# KiCad board cpu-blitter-inputs.kicad_pcb (continued)
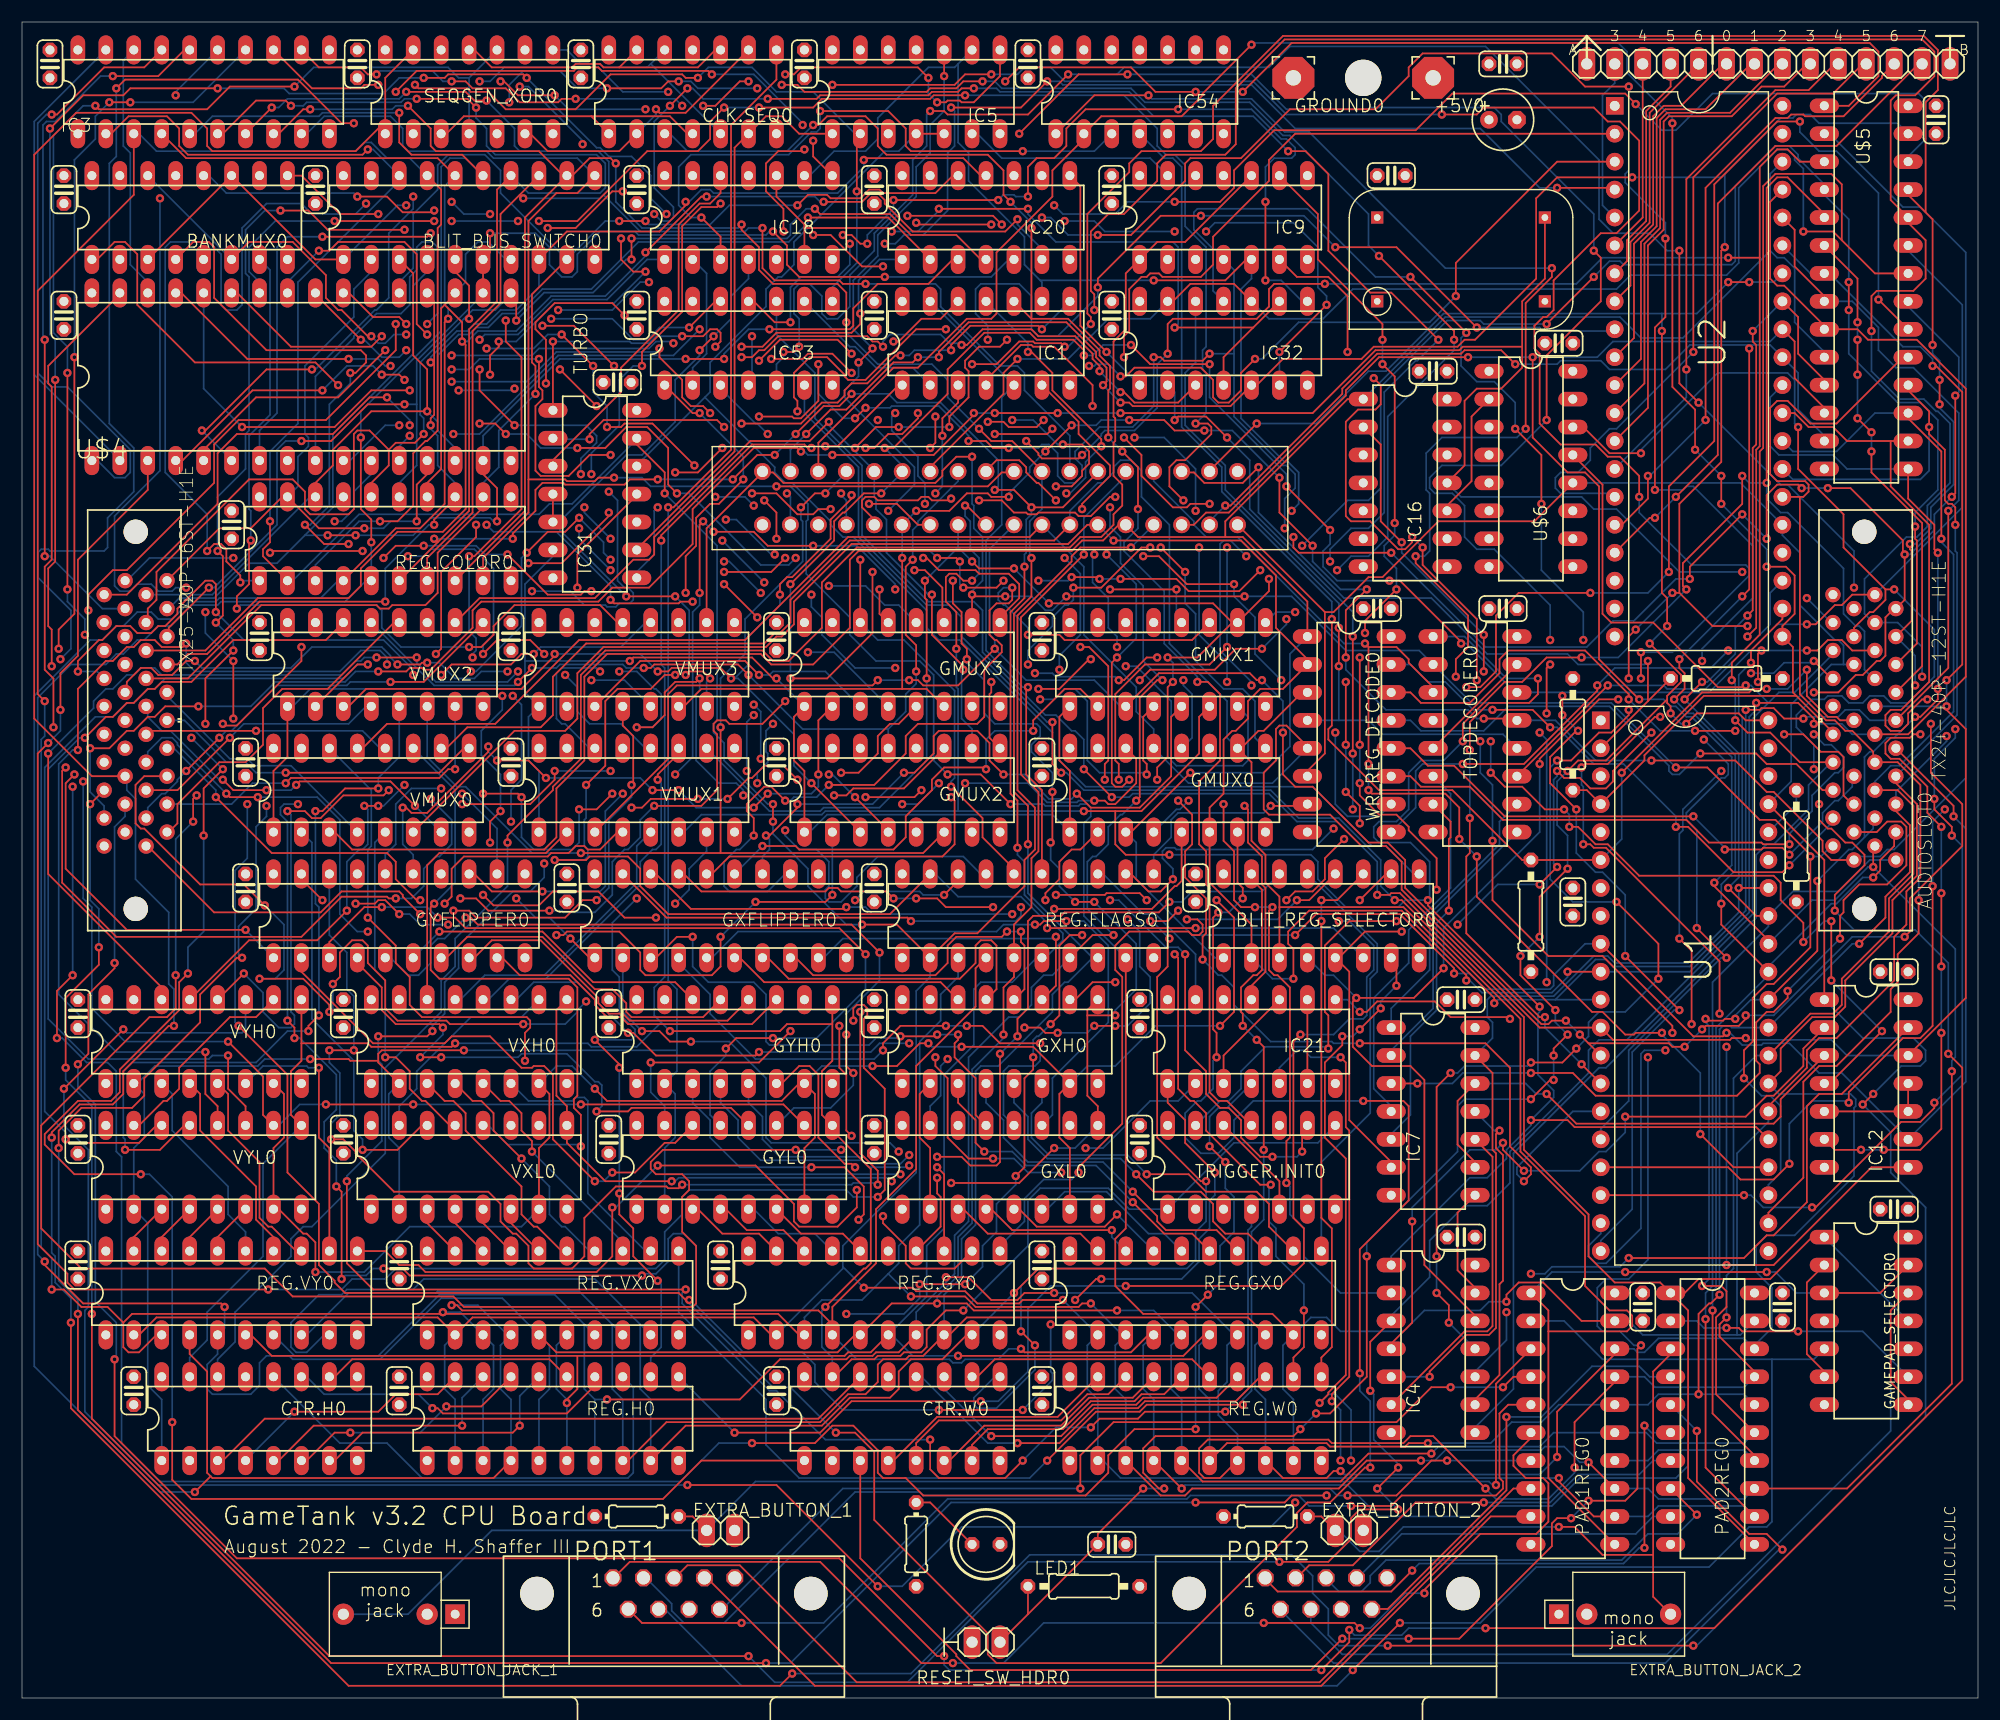
[diagram p0: board, top side]
## Routing (per net, layer and track width the routed paths; a pad name or vN(x,y) marks a point on that pad's centre or on a via; arc(x,y) is an arc through that point) (continued)
  Top w0.152: v1(8.25,147.48) 12.38,147.48 14.76,149.86 IC3.16 ; v1(2.06,103.82) v1(2.06,123.51)
  Bottom w0.152: v1(8.25,147.48) 7.14,147.48 3.02,143.35 2.22,143.35 1.91,143.03 1.91,123.67 v1(2.06,123.51) ; v1(2.06,103.82) 2.54,103.82 7.3,99.06 J2.18
VX-CARRY: length 19.4
  Bottom w0.152: VXL0.15 34.29,53.82 35.88,55.4 35.88,56.99 40.8,61.91 45.4,61.91 VXH0.10
VY-CARRY: length 18.6
  Top w0.152: VYH0.10 21.27,61.91 18.89,61.91 14.29,57.31 14.29,55.4 13.18,54.29 12.86,54.29 10.64,52.07 VYL0.15
W/~{R}: length 29.8
  Top w0.152: IC4.6 131.13,33.34 133.19,33.34 133.67,33.81 133.67,49.21 IC7.10
XDIR: length 127.6
  Top w0.152: v1(113.51,46.67) 112.55,46.67 107.63,51.59 107.63,53.18 106.52,54.29 106.2,54.29 105.09,55.4 105.09,67.31 v1(104.78,67.63) ; REG.W0.12 115.57,30.96 116.52,31.91 v1(116.52,35.24) ; v1(96.2,95.57) 97,95.57 98.74,93.82 98.74,85.25 98.43,84.93 v1(98.43,83.5)
  In2.Cu w0.152: v1(96.2,95.57) 92.23,99.54 89.06,99.54 87,101.6 87,101.92 86.52,102.39 85.25,102.39 83.82,103.82 83.82,103.98 81.12,106.68 81.12,107.16 78.74,109.54 78.74,109.85 78.42,110.17 77.31,110.17 76.04,111.44 76.04,111.92 71.6,116.36 70.17,116.36 66.99,119.54 66.99,120.65 66.04,121.6 66.04,123.19 62.23,127 IC53.13 ; v1(104.78,67.63) 103.19,69.21 103.19,73.34 101.6,74.93 101.6,80.33 v1(98.43,83.5)
  Bottom w0.152: v1(116.52,35.24) 116.52,37.62 113.98,40.16 113.98,42.7 113.35,43.34 113.35,46.51 v1(113.51,46.67)
XODD: length 38
  Top w0.152: v1(30.96,49.85) 34.13,49.85 36.35,52.07 VXL0.14
  Bottom w0.152: VMUX0.2 26.35,77.79 26.35,61.75 30.16,57.94 30.16,51.59 30.96,50.8 v1(30.96,49.85)
YDIR: length 106.6
  Top w0.152: v1(68.58,105.41) 68.58,107.79 v1(67.47,108.9) ; v1(52.07,59.85) 54.29,57.63 v1(54.29,57.31) ; v1(54.29,45.88) 54.29,43.97 55.56,42.7 55.56,40.16 v1(57.78,37.94)
  In1.Cu w0.152: v1(55.88,72.71) 55.88,76.2 60.8,81.12 60.8,87.47 65.41,92.07 65.41,97.16 66.2,97.95 66.2,103.03 v1(68.58,105.41) ; v1(67.47,108.9) 67.47,110.17 68.42,111.12 68.42,112.08 67.79,112.71 v1(67.79,114.93)
  Bottom w0.152: v1(54.29,57.31) v1(54.29,45.88) ; v1(55.88,72.71) 53.66,70.48 53.66,66.2 54.29,65.56 54.29,62.23 55.72,60.8 55.72,60.17 55.4,59.85 v1(52.07,59.85) ; IC53.3 63.5,119.06 66.67,115.89 66.83,115.89 v1(67.79,114.93) ; REG.H0.12 57.15,30.96 58.1,31.91 58.1,37.62 v1(57.78,37.94)
YODD: length 83.7
  Top w0.152: VMUX2.2 30.48,93.98 v1(31.43,93.98) ; VYL0.14 12.22,52.07 10.64,50.48 4.29,50.48 v1(3.97,50.8)
  Bottom w0.152: v1(31.43,93.98) 30.48,93.98 29.21,92.71 13.02,92.71 12.06,91.76 11.43,91.76 10.16,90.49 9.52,90.49 8.25,89.22 6.67,89.22 2.06,84.61 2.06,53.34 3.97,51.44 v1(3.97,50.8)
~{AUD_NMI}: length 53.3
  Top w0.152: AUDIOSLOT0.16 166.37,81.28 165.58,82.07 165.58,85.57 165.1,86.04 163.51,86.04 161.93,87.63 v1(160.18,87.63) ; v1(146.05,90.8) 146.05,91.28 142.08,95.25 135.1,95.25 134.3,94.46 134.3,93.19 131.6,90.49 127.16,90.49 126.21,91.44 WR_REG_DECODE0.14 ; v1(155.73,87.95) v1(152.08,87.95)
  In1.Cu w0.152: v1(160.18,87.63) 159.86,87.95 v1(155.73,87.95)
  Bottom w0.152: v1(146.05,90.8) 148.91,87.95 v1(152.08,87.95)
~{CLK7}: length 62.1
  Top w0.152: v1(145.73,52.86) 156.69,52.86 158.59,54.77 159.23,54.77 161.93,57.47 161.93,59.05 IC12.2 ; v1(126.37,43.34) 126.37,34.13 124.46,32.23 IC4.4 ; v1(136.53,47.94) 134.62,49.85 v1(134.62,50.48)
  Bottom w0.152: v1(126.37,43.34) 126.37,44.61 131.6,49.85 133.98,49.85 v1(134.62,50.48) ; v1(136.53,47.94) 141.6,47.94 143.35,49.69 143.99,49.69 145.73,51.44 v1(145.73,52.86)
~{CLK28}: length 11.7
  Top w0.152: U$6.2 131.76,116.52 131.76,110.65 129.54,108.43 IC16.10
~{COPYDONE}: length 174.5
  Top w0.152: IC9.10 105.73,132.4 103.19,132.4 IC9.1 100.33,129.54 100.33,124.46 99.22,123.35 99.22,116.52 99.38,116.36 99.38,114.3 99.22,114.14 99.22,111.12 100.01,110.33 100.01,108.43 99.22,107.63 99.22,106.68 98.11,105.57 96.2,105.57 95.25,104.62 75.88,104.62 72.71,101.44 72.71,97.31 69.69,94.3 68.26,94.3 67.31,95.25 53.02,95.25 50.8,93.03 50.8,85.41 48.26,82.87 48.26,82.55 44.13,78.42 v1(44.13,77.79)
  Bottom w0.152: CTR.H0.14 17.78,30.8 19.37,32.38 19.37,35.08 24.45,40.16 24.45,41.75 25.56,42.86 26.35,42.86 33.02,49.53 33.02,57.31 38.1,62.39 38.1,65.25 39.37,66.52 39.37,69.06 44.13,73.82 v1(44.13,77.79)
~{DIRECT-SELECT}: length 69.8
  Top w0.152: 71.12,133.67 78.74,133.67 v1(79.06,133.35) ; 71.12,133.67 71.12,133.98 68.58,136.52 IC18.10 ; 71.12,133.67 IC18.6 ; v1(91.44,135.41) v1(83.34,135.41) ; 111.92,124.62 v1(104.78,124.62) ; 111.92,124.62 109.22,121.92 IC32.4 ; 111.92,124.62 IC32.9
  Bottom w0.152: v1(83.34,135.41) 83.34,135.25 81.44,133.35 v1(79.06,133.35) ; v1(91.44,135.41) 91.44,134.94 93.98,132.4 104.62,132.4 105.09,131.92 105.09,124.94 v1(104.78,124.62)
~{DMAMODE}: length 139.5
  Top w0.152: GMUX3.1 70.17,89.22 70.17,85.25 71.12,84.3 GMUX2.1 ; GMUX1.1 94.3,89.22 94.3,85.25 95.25,84.3 GMUX0.1 ; v1(55.25,94.3) 55.56,94.61 66.36,94.61 68.26,92.71 v1(68.58,92.71) ; VMUX0.1 22.86,84.3 24.13,85.57 VMUX2.1
  Bottom w0.152: 45.72,94.3 v1(55.25,94.3) ; 45.72,94.3 45.72,101.28 48.26,103.82 IC31.6 ; 45.72,94.3 45.72,91.76 ; v1(68.58,92.71) GMUX3.1 ; GMUX2.1 71.6,78.74 73.18,80.33 93.66,80.33 GMUX0.1 ; 45.72,91.76 26.19,91.76 24.61,90.17 VMUX2.1 ; 45.72,91.76 45.72,91.44 VMUX3.1 46.04,89.22 46.04,85.25 46.99,84.3 VMUX1.1
~{GAMEPAD1R}: length 202.6
  Top w0.152: 138.75,33.34 138.75,20 PAD1REG0.11 ; 138.75,33.34 138.75,35.24 PAD1REG0.1 ; 138.75,33.34 145.89,33.34 146.37,33.81 146.37,34.77 145.89,35.24 144.3,35.24 142.08,37.47 142.08,43.81 136.21,49.69 136.21,61.75 125.41,72.55 v1(124.78,72.55) ; v1(93.66,88.74) 93.66,84.93 v1(94.46,84.14) ; GAMEPAD_SELECTOR0.3 168.91,36.83 GAMEPAD_SELECTOR0.13 ; v1(145.73,38.73) v1(158.59,38.73)
  Bottom w0.152: GAMEPAD_SELECTOR0.3 161.29,36.83 159.38,38.73 v1(158.59,38.73) ; v1(145.73,38.73) 139.06,38.73 PAD1REG0.1 ; v1(93.66,88.74) 93.19,88.74 85.41,96.52 85.41,98.27 84.3,99.38 82.23,99.38 76.04,105.57 76.04,111.92 71.12,116.84 IC53.6 ; v1(94.46,84.14) 94.93,84.14 96.52,82.55 113.51,82.55 116.05,80.01 119.7,80.01 123.51,76.2 123.51,73.82 v1(124.78,72.55)
~{GAMEPAD2R}: length 194.3
  Top w0.152: PAD2REG0.11 151.45,20 151.45,35.24 150.5,36.19 ; 150.5,36.19 PAD2REG0.1 148.91,37.78 144.78,37.78 142.4,40.16 142.4,43.97 136.53,49.85 136.53,61.91 125.25,73.18 124.46,73.18 124.3,73.02 v1(123.19,73.02) ; 150.5,36.19 152.4,38.1 158.91,38.1 162.72,41.91 GAMEPAD_SELECTOR0.1 ; v1(99.06,81.91) v1(96.52,84.45)
  Bottom w0.152: GAMEPAD_SELECTOR0.11 GAMEPAD_SELECTOR0.1 ; v1(99.06,81.91) 100.65,81.91 100.97,82.23 113.35,82.23 115.89,79.69 119.54,79.69 123.19,76.04 v1(123.19,73.02) ; v1(96.52,84.45) 96.52,87.15 95.73,87.95 95.41,87.95 93.98,89.38 93.03,89.38 87.31,95.09 87.31,98.9 86.52,99.69 82.39,99.69 76.36,105.73 76.36,112.08 72.07,116.36 72.07,120.49 68.58,123.98 IC53.10
~{INIT}: length 261.3
  Top w0.152: v1(71.75,113.66) 71.44,113.66 71.12,113.98 66.36,113.98 58.1,105.73 v1(58.1,105.25) ; v1(73.03,113.82) 74.14,113.82 79.69,119.38 IC1.1 ; 73.66,61.28 GYH0.9 ; 73.66,61.28 69.53,61.28 68.9,60.64 v1(58.9,60.64) ; 73.66,61.28 73.66,57.94 72.71,56.99 72.71,53.02 GYL0.9 73.66,51.59 77.15,48.1 77.15,39.53 76.68,39.05 76.52,39.05 v1(73.03,35.56) ; VYL0.9 24.45,53.02 24.45,56.99 25.4,57.94 25.4,59.53 ; v1(39.37,59.53) 39.05,59.21 31.75,59.21 31.43,59.53 25.4,59.53 ; 25.4,59.53 VYH0.9 ; v1(85.57,35.24) 83.98,35.24 82.23,33.5 82.23,31.91 81.76,31.43 80.17,31.43 79.85,31.11 77.79,31.11 77.47,30.8 75.41,30.8 73.82,29.21 CTR.W0.15
  Bottom w0.152: v1(58.9,60.64) 58.1,61.44 ; 58.1,61.44 57.47,62.07 57.47,64.61 58.42,65.56 58.42,93.66 58.1,93.98 v1(58.1,105.25) ; 58.1,61.44 55.88,59.21 51.75,59.21 51.44,59.53 v1(39.37,59.53) ; CTR.H0.15 15.24,30.96 16.83,32.54 16.83,35.08 21.91,40.16 21.91,48.58 VYL0.9 ; v1(73.03,113.82) 71.91,113.82 v1(71.75,113.66) ; v1(73.03,35.56) 72.71,35.24 72.71,31.91 73.66,30.96 CTR.W0.15 ; v1(85.57,35.24) 91.44,41.12 91.44,45.24 92.55,46.35 98.74,46.35 100.65,44.45 TRIGGER.INIT0.1 110.17,50.48 117.79,50.48 TRIGGER.INIT0.8
~{IRQ-OUT}: length 145.5
  Top w0.152: v1(130.33,92.87) 130.33,94.46 131.44,95.57 131.44,98.42 126.68,103.19 v1(126.68,103.82) ; v1(136.68,115.41) 136.68,126.84 139.06,129.22 v1(139.06,130.02) ; IC54.1 97.47,145.73 v1(102.39,145.73) ; IC21.11 111.76,64.77 113.03,66.04 113.03,73.66 112.71,73.98 112.71,76.52 111.44,77.79 111.44,80.8 v1(111.12,81.12)
  In2.Cu w0.152: v1(111.12,81.12) 112.55,81.12 116.84,85.41 118.11,85.41 122.87,90.17 125.73,90.17 128.43,92.87 v1(130.33,92.87)
  Bottom w0.152: v1(126.68,103.82) 127.48,103.82 127.95,104.3 127.95,109.54 127.63,109.85 127.63,113.19 129.06,114.62 135.89,114.62 v1(136.68,115.41) ; v1(102.39,145.73) 102.71,145.41 111.76,145.41 114.78,142.4 117,142.4 129.38,130.02 v1(139.06,130.02)
~{IRQ}: length 193.6
  Top w0.152: AUDIOSLOT0.11 164.47,87.63 164.47,87.95 161.29,91.12 ; 161.29,91.12 160.97,91.44 160.97,95.57 U2.21 160.02,97.47 161.13,98.58 161.13,102.08 160.34,102.87 v1(158.59,102.87) ; 161.29,91.12 152.88,91.12 147.48,85.72 147.48,85.25 U1.4 142.24,82.55 R4.2 ; v1(154.46,111.12) v1(154.46,108.58) ; U$3.P$21 72.39,114.14 79.22,120.97 81.44,120.97 85.88,125.41 88.11,125.41 88.58,125.89 88.58,131.44 93.66,136.52 93.66,138.91 96.52,141.76 IC54.2 98.11,143.83 105.41,143.83 107.31,145.73 107.31,145.89 v1(111.76,150.34) ; v1(150.02,143.19) 150.02,119.22 152.08,117.16 v1(152.08,113.51)
  Bottom w0.152: v1(152.08,113.51) v1(154.46,111.12) ; v1(158.59,102.87) 158.59,104.46 v1(154.46,108.58) ; v1(111.76,150.34) 111.92,150.5 145.1,150.5 145.89,149.7 145.89,147.8 150.02,143.67 v1(150.02,143.19)
~{NMI}: length 129.2
  Top w0.152: AUDIOSLOT0.10 165.26,88.9 164.94,89.22 164.15,89.22 162.24,91.12 v1(162.24,93.5) ; v1(145.41,84.14) 152.72,91.44 157,91.44 157.32,91.76 v1(158.59,91.76) ; v1(119.06,98.11) 119.06,88.42 118.75,88.11 118.75,87.15 123.35,82.55 130.02,82.55 136.37,76.2 R3.2 U1.6
  Bottom w0.152: v1(119.06,98.11) 119.06,99.69 109.06,109.7 109.06,111.92 105.41,115.57 105.41,139.22 104.62,140.02 103.82,140.02 IC54.4 ; v1(145.41,84.14) 145.41,78.1 U1.6 ; v1(162.24,93.5) 160.5,91.76 v1(158.59,91.76)
~{RAMSEL}: length 101
  Top w0.152: U$5.20 v1(168.75,127.16) ; v1(142.56,100.49) 136.05,100.49 133.98,98.42 133.98,93.34 132.56,91.92 v1(131.29,91.92) ; v1(149.7,102.39) 149.7,110.17 153.83,114.3 153.83,137.64 159.54,143.35 v1(161.61,143.35)
  In1.Cu w0.152: v1(131.29,91.92) TOPDECODER0.4
  Bottom w0.152: v1(142.56,100.49) 147.8,100.49 v1(149.7,102.39) ; v1(168.75,127.16) 168.75,136.84 164.94,140.65 163.35,140.65 161.61,142.4 v1(161.61,143.35)
~{RE2}: length 265.9
  Top w0.152: v1(155.42,92.55) 155.42,94.14 157.96,96.68 157.96,113.35 158.27,113.66 158.27,137.48 159.38,138.59 164.47,138.59 165.42,137.64 165.42,132.56 ; U$3.P$25 82.55,111.92 89.22,118.59 89.22,120.49 v1(90.49,121.76) ; 165.42,132.56 168.43,129.54 U$5.22 ; 165.42,132.56 164.62,133.35 v1(161.93,133.35) ; IC32.13 104.62,127 106.2,128.59 110.17,128.59 IC32.10 ; v1(155.73,88.9) 156.84,87.79 158.91,87.79 161.61,85.09 AUDIOSLOT0.13
  Bottom w0.152: AUDIOSLOT0.13 164.47,85.09 162.4,83.03 162.4,80.8 159.23,77.63 158.59,77.63 157.64,76.68 157.64,70.96 143.99,57.31 143.35,57.31 135.57,49.53 135.57,28.1 132.08,24.61 IC4.8 ; IC32.10 113.35,125.41 118.27,125.41 120.97,128.11 144.94,128.11 146.21,129.38 154.94,129.38 156.05,130.49 156.05,137.32 159.54,140.81 160.5,140.81 161.13,140.18 161.13,139.86 161.93,139.06 v1(161.93,133.35) ; IC32.13 102.55,125.41 98.74,125.41 95.09,121.76 v1(90.49,121.76) ; v1(155.42,92.55) 155.73,92.23 v1(155.73,88.9)
~{REGSSEL}: length 64.4
  Top w0.152: v1(119.7,93.82) v1(119.7,97.31)
  Bottom w0.152: IC32.12 106.68,121.44 105.73,120.49 105.73,115.73 109.38,112.08 109.38,109.85 119.7,99.54 v1(119.7,97.31) ; 119.7,88.9 WR_REG_DECODE0.4 ; 119.7,88.9 122.4,88.9 123.67,87.63 134.62,87.63 TOPDECODER0.12 ; 119.7,88.9 v1(119.7,93.82)
~{RESET}: length 242.6
  Top w0.152: v1(149.07,124.3) 149.07,100.49 149.54,100.01 v1(149.54,97.47) ; v1(136.21,67.47) 136.21,65.72 v1(139.38,62.55) ; 149.54,90.8 149.54,91.12 150.81,92.39 150.81,93.03 v1(147.95,95.88) ; 149.54,90.8 149.54,90.49 149.86,90.17 v1(149.86,89.53) ; 149.54,90.8 143.99,85.25 141.45,85.25 v1(140.49,84.3) ; v1(140.49,75.41) 137.95,72.87 v1(137.95,69.21) ; v1(137.16,54.45) 138.91,56.2 v1(139.22,56.2) ; U$3.P$35 107.95,111.6 v1(112.24,115.89) ; RESET_SW_HDR0.2 91.44,7.62 ; 91.44,7.62 R2.2 ; 91.44,7.62 C47.1 97.79,14.92 v1(101.92,19.05) ; v1(117.63,25.88) 118.9,25.88 122.24,29.21 v1(122.24,40.16) ; v1(151.29,88.58) 152.24,89.53 156.05,89.53 156.69,88.9 U1.40 ; v1(139.22,58.42) 139.22,59.05 v1(140.49,60.32) ; v1(116.2,24.45) 115.57,23.81 103.03,23.81 101.92,22.7 101.92,20.48 103.35,19.05 v1(103.82,19.05) ; v1(157,128.75) v1(155.1,128.75)
  Bottom w0.152: 149.07,125.89 v1(149.07,124.3) ; 149.07,125.89 129.22,125.89 123.98,120.65 122.4,120.65 117.63,115.89 v1(112.24,115.89) ; 149.07,125.89 152.24,125.89 v1(155.1,128.75) ; v1(140.49,84.3) 139.54,83.34 139.54,79.38 140.49,78.42 v1(140.49,75.41) ; v1(137.16,54.45) 131.13,54.45 130.49,53.82 130.49,49.69 122.24,41.43 v1(122.24,40.16) ; v1(139.22,58.42) v1(139.22,56.2) ; v1(149.86,89.53) 150.81,88.58 v1(151.29,88.58) ; v1(103.82,19.05) v1(101.92,19.05) ; v1(139.38,62.55) 139.38,61.44 v1(140.49,60.32) ; v1(137.95,69.21) v1(136.21,67.47) ; U2.34 159.23,128.75 v1(157,128.75) ; v1(149.54,97.47) v1(147.95,95.88) ; v1(117.63,25.88) v1(116.2,24.45)
~{ROWCOMPLETE}: length 190.8
  Top w0.152: CTR.W0.14 72.39,25.4 22.07,25.4 18.26,21.59 CTR.H0.3 ; v1(83.03,116.52) 83.03,114.14 v1(82.55,113.66) ; v1(93.5,61.28) 94.3,62.07 94.3,68.42 95.25,69.37 v1(96.36,69.37) ; v1(91.92,58.26) 91.92,57.15 91.12,56.36 91.12,48.26 v1(90.33,47.47) ; v1(81.6,37.62) v1(85.72,37.62)
  In1.Cu w0.152: v1(96.36,69.37) 96.52,69.53 96.52,75.72 91.28,80.96 91.28,88.27 93.19,90.17 93.19,93.19 90.81,95.57 90.81,101.12 89.06,102.87 89.06,107.79 87.31,109.54 85.57,109.54 83.98,111.12 83.98,112.24 v1(82.55,113.66) ; v1(83.03,116.52) 82.55,117 IC1.2
  In2.Cu w0.152: CTR.W0.14 74.93,30.48 v1(74.93,34.92)
  Bottom w0.152: v1(74.93,34.92) 80.17,34.92 81.6,36.35 v1(81.6,37.62) ; v1(85.72,37.62) 87.31,39.21 87.31,41.12 88.58,42.39 88.58,44.93 90.33,46.67 v1(90.33,47.47) ; v1(93.5,61.28) 92.39,60.17 92.23,60.17 91.92,59.85 v1(91.92,58.26) ; IC1.2 80.96,120.97 77.63,120.97 75.72,122.87 75.25,122.87 IC53.9
~{RUNNING}: length 237.3
  Top w0.152: v1(126.05,5.4) 130.65,5.4 139.06,13.81 139.06,15.88 139.54,16.35 v1(140.81,16.35) ; v1(133.67,77.95) 133.67,72.55 138.75,67.47 143.67,67.47 150.02,61.12 v1(150.02,60.48) ; CTR.W0.3 76.2,12.7 84.93,3.97 84.93,3.81 86.2,2.54 117.16,2.54 v1(120.01,5.4) ; v1(147.16,32.07) 146.84,31.75 146.84,19.05 145.73,17.94 v1(142.4,17.94) ; v1(120.49,122.4) 120.49,127.48 118.75,129.22 115.89,129.22 IC9.6 ; v1(122.87,120.01) 123.51,119.38 123.51,117.63 123.03,117.16 121.44,117.16 120.33,116.05 120.33,107.47 120.81,107 122.56,107 125.09,104.46 125.73,104.46 126.37,105.09 v1(126.37,105.57) ; v1(127.32,104.62) 127.32,103.03 132.24,98.11 v1(132.24,92.55)
  In1.Cu w0.152: v1(150.02,60.48) v1(147.8,58.26) ; v1(120.49,122.4) v1(122.87,120.01) ; v1(132.56,86.99) 132.56,88.42 132.24,88.74 v1(132.24,92.55)
  Bottom w0.152: v1(126.37,105.57) v1(127.32,104.62) ; v1(132.56,86.99) 132.56,84.14 133.67,83.03 v1(133.67,77.95) ; v1(147.16,32.07) 146.53,32.07 145.26,33.34 143.67,33.34 143.19,33.81 143.19,37.31 143.99,38.1 146.05,38.1 147.8,39.85 v1(147.8,58.26) ; v1(126.05,5.4) v1(120.01,5.4) ; v1(142.4,17.94) v1(140.81,16.35)
~{SEQGEN_HIGH}: length 20.5
  Bottom w0.152: 57.15,148.59 CLK.SEQ0.5 ; 57.15,148.59 CLK.SEQ0.12 ; 57.15,148.59 56.83,148.27 52.86,148.27 52.55,148.59 50.8,148.59 49.53,149.86 SEQGEN_XOR0.8
~{SEQGEN_LOW}: length 26.7
  Top w0.152: 54.29,148.27 61.44,148.27 63.02,149.86 CLK.SEQ0.10 ; 54.29,148.27 52.86,148.27 52.55,148.59 50.32,148.59 50.01,148.27 42.7,148.27 41.12,149.86 SEQGEN_XOR0.11 ; 54.29,148.27 CLK.SEQ0.13
~{SPI_CS}: length 112.4
  Top w0.152: U2.4 144.62,137.32 v1(139.54,137.32) ; v1(93.19,147) 90.81,144.62 v1(84.45,144.62)
  In1.Cu w0.152: v1(69.53,109.54) 69.53,110.33 68.74,111.12 68.74,112.39 69.06,112.71 69.06,114.3 68.74,114.62 68.74,118.27 71.75,121.28 71.75,123.82 76.04,128.11 76.04,129.86 v1(78.42,132.24)
  Bottom w0.152: v1(93.19,147) 94.3,147 94.62,146.69 111.76,146.69 115.73,142.72 132.56,142.72 137.95,137.32 v1(139.54,137.32) ; v1(78.42,132.24) 79.38,132.24 80.17,133.03 81.91,133.03 84.14,135.25 84.14,140.49 84.77,141.13 84.77,144.3 v1(84.45,144.62) ; U$3.P$2 69.85,109.22 v1(69.53,109.54)
~{TILEMODE}: length 58.8
  Top w0.152: REG.FLAGS0.15 92.71,82.55 91.28,83.98 91.28,91.76 v1(91.44,91.92)
  Bottom w0.152: IC1.13 IC1.5 89.06,118.27 89.06,106.68 87.63,105.25 87.63,95.25 90.96,91.92 v1(91.44,91.92)
~{TRANSEN}: length 75
  Top w0.152: v1(120.97,96.52) v1(120.97,85.88) ; v1(104.78,116.2) 105.09,116.52 107.63,116.52 v1(109.54,114.62) ; REG.FLAGS0.12 100.81,74.93 102.39,73.34 103.5,73.34 v1(104.62,74.45)
  In2.Cu w0.152: v1(120.97,80.8) v1(119.22,79.06)
  Bottom w0.152: v1(109.54,114.62) 111.6,112.55 111.6,108.11 120.97,98.74 v1(120.97,96.52) ; IC32.2 104.78,118.75 v1(104.78,116.2) ; v1(119.22,79.06) 117.32,77.15 104.93,77.15 104.78,77.31 103.98,77.31 103.66,76.99 103.66,76.36 104.62,75.41 v1(104.62,74.45) ; v1(120.97,85.88) v1(120.97,80.8)
~{TRIGGER}: length 201.7
  Top w0.152: v1(60.33,37.15) 31.91,37.15 29.53,39.53 v1(29.53,46.99) ; v1(37.31,60.64) 36.83,60.17 v1(32.38,60.17) ; v1(90.96,21.59) 89.38,20 83.34,20 82.55,20.8 v1(82.55,23.5) ; v1(97.16,24.61) 97.95,25.4 101.44,25.4 102.08,26.03 v1(109.38,26.03) ; v1(50.48,100.96) 50.48,103.98 55.88,109.38 IC31.11
  In1.Cu w0.152: v1(44.61,91.12) 44.61,91.92 43.5,93.03 43.5,93.66 44.13,94.3 44.77,94.3 50.48,100.01 v1(50.48,100.96)
  In2.Cu w0.152: v1(47.47,75.88) 47.47,76.68 v1(44.45,79.69)
  Bottom w0.152: v1(29.53,46.99) 29.53,47.47 32.7,50.64 32.7,57.63 32.38,57.94 v1(32.38,60.17) ; v1(109.38,26.03) 111.44,28.1 111.44,42.54 111.76,42.86 TRIGGER.INIT0.4 ; v1(44.61,91.12) 45.4,90.33 45.4,83.5 44.45,82.55 v1(44.45,79.69) ; v1(47.47,75.88) 47.47,74.61 46.2,73.34 44.61,73.34 39.69,68.42 39.69,66.36 38.42,65.09 38.42,62.23 37.31,61.12 v1(37.31,60.64) ; v1(60.33,37.15) 60.01,36.83 60.01,35.88 67.94,27.94 68.58,27.94 73.03,23.5 v1(82.55,23.5) ; v1(90.96,21.59) 93.98,24.61 v1(97.16,24.61)
~{VIASEL}: length 33.4
  Top w0.152: v1(144.15,92.07) TOPDECODER0.11
  Bottom w0.152: v1(144.15,92.07) 149.22,92.07 149.54,91.76 153.03,91.76 158.91,97.63 158.91,100.49 U2.23
~{VID_SEL}: length 242.5
  Top w0.152: v1(137.95,73.98) v1(139.54,75.56) ; v1(73.66,146.69) 84.77,146.69 85.72,147.64 v1(88.11,147.64) ; v1(129.06,143.99) 132.24,143.99 132.87,144.62 142.88,144.62 144.15,143.35 145.26,143.35 147,141.6 147,135.25 144.94,133.19 143.51,133.19 139.22,128.91 139.22,126.21 138.59,125.57 138.27,125.57 137.48,124.78 137.48,122.71 137.95,122.24 137.95,115.89 139.86,113.98 143.03,113.98 144.15,112.87 145.26,112.87 147,111.12 v1(147,109.22) ; v1(125.41,69.69) 122.08,69.69 119.54,67.15 ; v1(147.16,92.71) v1(147.16,95.09) ; 119.54,67.15 BLIT_REG_SELECTOR0.5 ; 119.54,67.15 120.65,66.04 120.65,52.55 124.46,48.74 IC7.6 ; v1(71.12,140.81) 70.96,140.65 68.74,140.65 67.63,139.54 67.63,137 69.22,135.41 v1(69.22,133.35) ; v1(139.54,84.3) 140.18,83.66 141.6,83.66 142.56,82.71 143.99,82.71 144.62,83.34 144.62,84.3 v1(148.11,87.79)
  In1.Cu w0.152: v1(148.11,87.79) 148.11,90.65 147.16,91.6 v1(147.16,92.71) ; v1(69.22,133.35) 68.58,132.72 IC18.5 ; v1(71.12,140.81) 71.12,141.92 70.33,142.72 70.33,143.35 v1(73.66,146.69) ; v1(125.41,69.69) 129.86,69.69 v1(130.49,70.33)
  Bottom w0.152: v1(88.11,147.64) 90.49,147.64 91.12,148.27 93.5,148.27 94.77,147 111.92,147 114.94,143.99 v1(129.06,143.99) ; v1(139.54,75.56) 139.22,75.88 139.22,83.5 139.54,83.82 v1(139.54,84.3) ; v1(147,109.22) 147,107.79 151.76,103.03 156.69,103.03 157,102.71 157,102.08 150.02,95.09 v1(147.16,95.09) ; v1(130.49,70.33) 134.14,73.98 v1(137.95,73.98)
~{VOE}: length 66.8
  Top w0.152: v1(38.1,93.03) 39.05,93.98 44.45,93.98 45.4,94.93 v1(46.51,94.93) ; v1(5.08,93.34) 5.08,94.3 6.98,96.2 7.3,96.2 8.57,97.47 9.84,97.47 10.48,96.84 11.75,96.84 12.38,97.47 13.02,97.47 14.13,98.58 14.13,99.06 16.67,101.6 17.3,101.6 17.62,101.28 v1(17.62,98.74)
  In2.Cu w0.152: v1(35.56,93.03) v1(38.1,93.03)
  Bottom w0.152: v1(5.08,93.34) 6.83,93.34 7.46,92.71 J2.13 ; VMUX3.12 56.67,97.79 54.45,95.57 47.15,95.57 v1(46.51,94.93) ; v1(17.62,98.74) 20.16,96.2 32.86,96.2 35.56,93.5 v1(35.56,93.03)
~{VWE}: length 57.8
  Top w0.152: v1(34.13,93.98) 36.19,93.98 36.35,94.14 v1(36.83,94.14) ; J2.12 9.52,91.44 9.52,92.39 10.8,93.66 11.75,93.66 12.38,93.03 13.65,93.03 14.92,94.3 v1(15.72,94.3)
  In2.Cu w0.152: v1(44.13,93.34) 45.08,94.3 48.1,94.3 v1(49.37,93.03)
  Bottom w0.152: v1(34.13,93.98) 33.5,94.61 33.5,94.77 32.7,95.57 26.35,95.57 24.45,93.66 16.35,93.66 v1(15.72,94.3) ; VMUX1.12 56.67,86.36 54.45,88.58 51.59,88.58 50.48,89.69 50.48,91.92 v1(49.37,93.03) ; v1(44.13,93.34) 41.75,93.34 41.12,92.71 39.37,92.71 37.94,94.14 v1(36.83,94.14)
~{WAV_SEL}: length 71
  Top w0.152: v1(165.26,69.06) 165.26,71.12 165.58,71.44 165.58,72.55 167,73.98 169.54,73.98 171.29,75.72 171.29,79.22 170.81,79.69 169.54,79.69 168.59,78.74 AUDIOSLOT0.18 ; v1(137.16,56.83) 140.97,56.83 143.03,54.77 155.89,54.77 157.96,56.83 157.96,57.63 157.64,57.94 157.64,61.44 158.59,62.39 159.23,62.39 160.5,63.66 v1(160.5,64.29) ; v1(126.84,55.88) IC7.3
  Bottom w0.152: v1(126.84,55.88) 130.02,55.88 130.97,56.83 v1(137.16,56.83) ; v1(165.26,69.06) v1(160.5,64.29)
~{WE2}: length 287.6
  Top w0.152: v1(71.28,114.93) 73.5,117.16 74.93,117.16 79.22,121.44 80.96,121.44 v1(81.44,121.92) ; IC4.12 132.08,34.77 127.48,39.37 127.48,56.2 126.21,57.47 122.71,57.47 120.97,59.21 120.97,63.34 v1(121.28,63.66) 126.52,63.66 v1(129.22,66.36) ; v1(83.34,121.92) 83.34,122.4 86.04,125.09 94.93,125.09 97.63,122.4 97.63,121.92 98.58,120.97 98.58,119.7 v1(98.27,119.38) ; v1(146.05,92.71) 146.05,96.52 v1(146.69,97.16) ; 150.65,100.49 v1(150.02,100.49) ; 150.65,100.49 153.67,97.47 v1(156.84,97.47) ; 150.65,100.49 150.65,108.58 154.46,112.39 154.46,131.6 v1(154.78,131.92) ; v1(145.1,90.8) 143.35,90.8 137.95,85.41 v1(137.95,84.93) ; v1(99.85,117.79) 100.65,117.79 100.97,117.47 109.85,117.47 IC32.5 112.24,119.38 114.62,121.76 121.76,121.76 122.87,122.87 130.49,122.87 131.13,123.51 132.08,123.51 137.64,129.06 137.64,136.37 139.54,138.27 v1(146.37,138.27)
  In1.Cu w0.152: v1(156.84,97.47) 161.45,92.87 161.45,91.92 162.56,90.8 162.72,90.8 166.37,87.15 166.37,86.36 AUDIOSLOT0.12 ; v1(145.1,90.8) 145.1,91.76 v1(146.05,92.71)
  Bottom w0.152: v1(121.28,63.66) 119.22,65.72 118.43,65.72 BLIT_REG_SELECTOR0.4 ; v1(137.95,84.93) 137.95,78.74 129.22,70.01 v1(129.22,66.36) ; 154.78,138.59 159.86,143.67 160.97,143.67 161.29,143.99 162.56,143.99 163.35,143.19 170.5,143.19 U$5.27 ; 154.78,138.59 154.46,138.27 v1(146.37,138.27) ; 154.78,138.59 v1(154.78,131.92) ; v1(83.34,121.92) v1(81.44,121.92) ; U$3.P$20 69.85,113.51 v1(71.28,114.93) ; v1(99.85,117.79) v1(98.27,119.38) ; v1(150.02,100.49) v1(146.69,97.16)
~{WRAP_X}: length 251.5
  Top w0.152: v1(28.58,46.51) 29.05,46.04 v1(29.05,38.1) ; v1(95.73,36.19) 97.63,38.1 v1(98.11,38.1) ; v1(56.36,38.42) 35.24,38.42 34.61,39.05 v1(32.86,39.05) ; IC21.1 104.14,54.13 105.73,52.55 105.73,50.48 v1(108.43,47.78) ; v1(19.21,94.3) v1(19.21,89.06) ; v1(83.34,26.19) v1(90.96,26.19) ; v1(24.77,60.01) 24.77,60.96 v1(24.13,61.59)
  In2.Cu w0.152: v1(19.21,89.06) 21.59,86.68 21.59,84.61 23.65,82.55 23.81,82.55 v1(25.08,81.28) ; v1(12.54,136.37) 12.54,140.81 13.97,142.24 v1(13.97,145.73) ; v1(93.5,33.97) v1(95.73,36.19) ; v1(16.67,98.74) 16.67,99.22 v1(14.92,100.96)
  Bottom w0.152: v1(19.21,94.3) 16.67,96.84 v1(16.67,98.74) ; v1(13.97,145.73) 13.97,146.05 IC3.15 ; v1(93.5,33.97) 93.5,29.69 93.66,29.53 93.66,28.89 v1(90.96,26.19) ; v1(29.05,38.1) 29.37,38.42 31.27,38.42 31.91,39.05 v1(32.86,39.05) ; v1(98.11,38.1) 105.41,38.1 107,39.69 107,41.75 107.95,42.7 107.95,45.24 108.43,45.72 v1(108.43,47.78) ; v1(28.58,46.51) 28.58,48.89 27.46,50.01 27.46,52.39 28.58,53.5 28.58,56.67 25.24,60.01 v1(24.77,60.01) ; v1(24.13,61.59) 24.13,79.69 23.5,80.33 23.5,80.96 23.81,81.28 v1(25.08,81.28) ; v1(14.92,100.96) 13.97,100.96 13.65,100.65 12.38,100.65 11.75,101.28 10.48,101.28 9.84,100.65 8.89,100.65 8.41,101.12 8.41,107.47 12.54,111.6 v1(12.54,136.37) ; v1(83.34,26.19) 74.61,26.19 72.07,28.73 72.07,30.32 70.96,31.43 65.56,31.43 61.28,35.72 61.28,41.12 60.17,42.23 59.21,42.23 58.74,41.75 58.74,39.69 57.63,38.58 56.52,38.58 v1(56.36,38.42)
~{WRAP_Y}: length 289
  Top w0.152: v1(109.38,48.74) v1(107.95,50.16) ; v1(9.84,145.1) v1(7.94,145.1) ; v1(4.76,121.92) 4.76,98.58 3.33,97.16 v1(3.33,95.41) ; v1(66.36,23.18) 72.07,23.18 73.66,24.76 75.56,24.76 77.79,22.54 77.79,20.48 78.26,20 80.33,20 81.91,18.41 96.68,18.41 98.74,20.48 98.74,22.07 101.12,24.45 v1(106.68,24.45) ; v1(106.68,35.56) v1(107.79,36.67) ; v1(4.6,65.72) 3.17,64.29 v1(3.17,60.01)
  In1.Cu w0.152: v1(3.33,95.41) 1.43,93.5 1.43,88.74 3.02,87.15 3.02,84.45 v1(4.6,82.87)
  Bottom w0.152: IC3.14 15.56,145.1 v1(9.84,145.1) ; v1(4.76,121.92) 4.76,139.86 6.67,141.76 6.67,143.83 v1(7.94,145.1) ; IC21.4 109.54,53.66 108.74,53.66 107.95,52.86 v1(107.95,50.16) ; v1(107.79,36.67) 108.9,37.78 108.9,41.12 110.17,42.39 110.17,45.56 109.38,46.35 v1(109.38,48.74) ; v1(66.36,23.18) 63.34,23.18 59.85,19.69 12.54,19.69 9.05,23.18 9.05,49.21 8.57,49.69 8.57,56.99 7.78,57.78 5.87,57.78 3.65,60.01 v1(3.17,60.01) ; v1(106.68,24.45) v1(106.68,35.56) ; v1(4.6,82.87) v1(4.6,65.72)
